# KiCad board Zynq_SoM.kicad_pcb (continued)
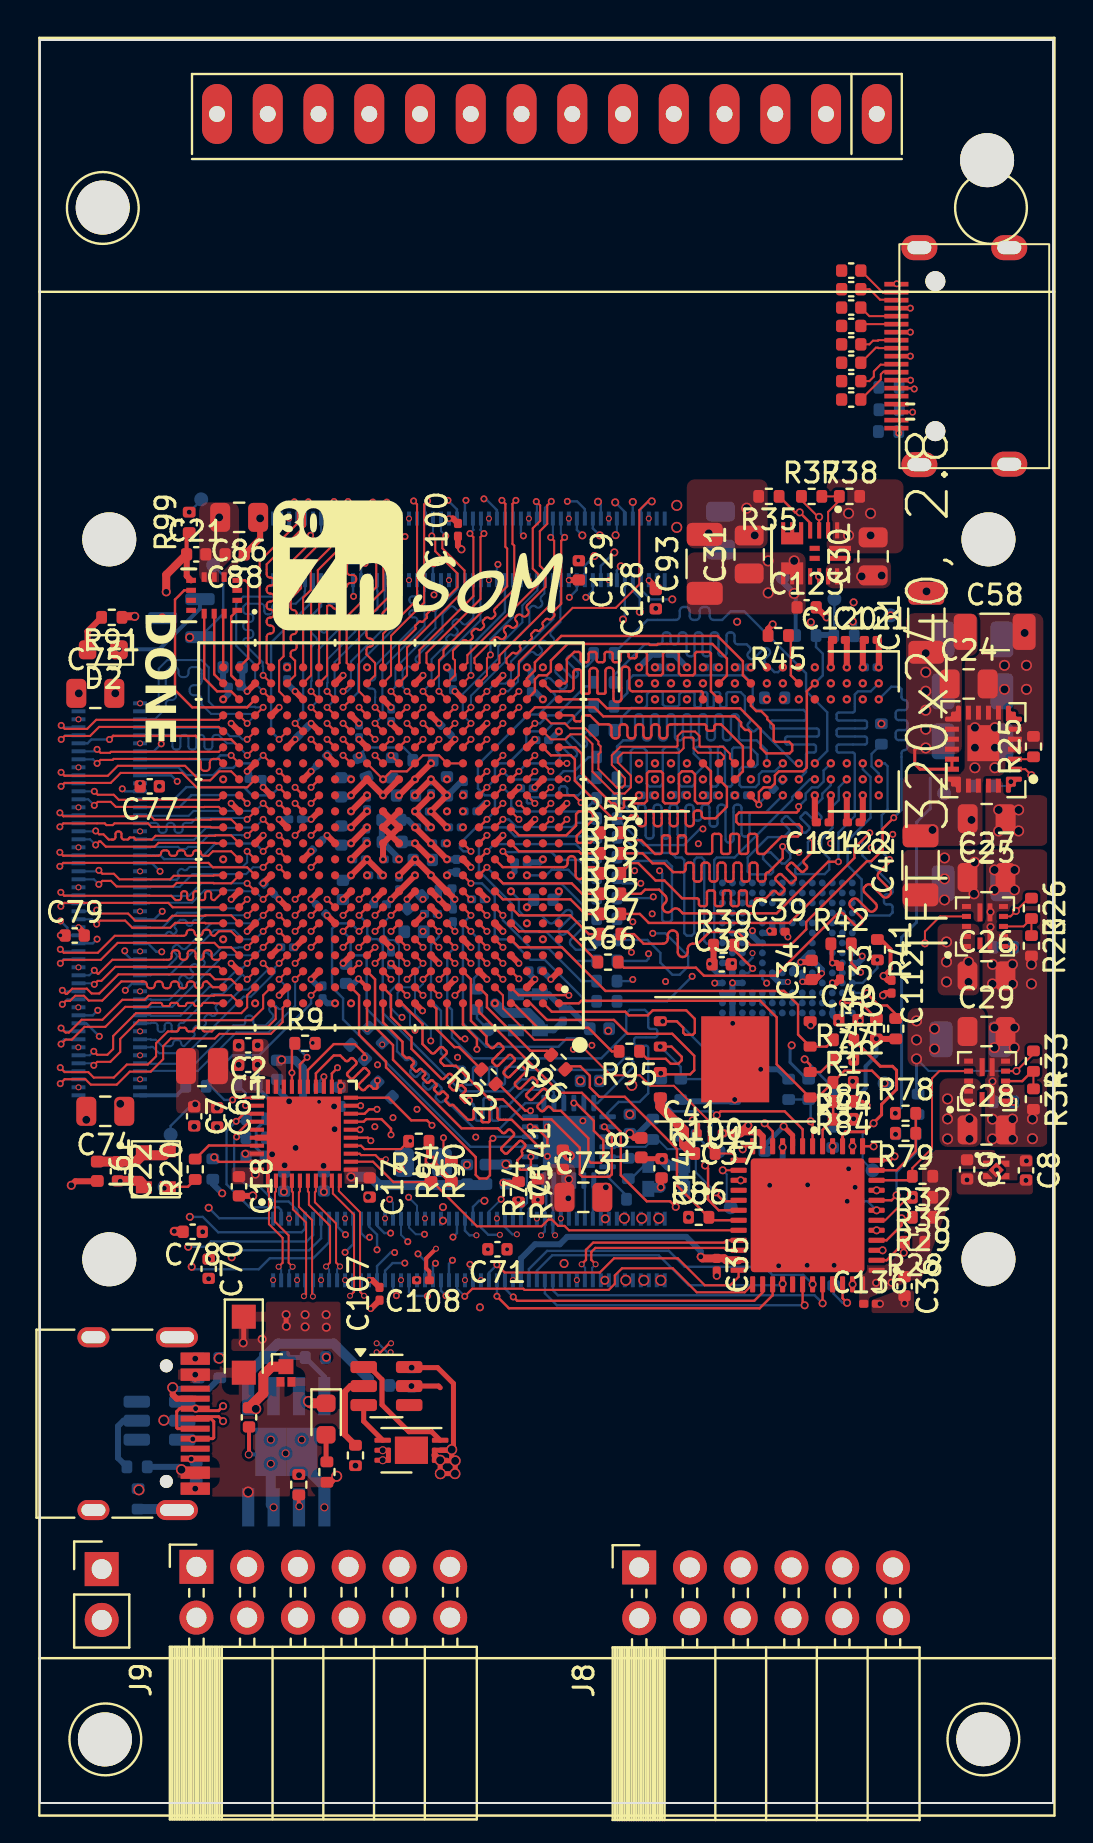
[diagram p0: board, top side]
## Routing (per net, layer and track width the routed paths; a pad name or vN(x,y) marks a point on that pad's centre or on a via; arc(x,y) is an arc through that point) (continued)
/Zynq_B502_DDR/DDR_A11: length 6.8
  L1 (Sig) w0.12: U2.G5 v1(23.17,44.39)
  L8 (Sig) w0.12: v1(23.17,44.39) 23.17,44.14 24.58,42.73 25.45,42.73 27.08,41.1 R64.1
/Zynq_B502_DDR/DDR_A11_T: length 26.1
  L6 (Sig+Pwr) w0.135: v1(41.18,55.19) 41.58,54.79 41.58,53.38 arc(41.61,53.29) 41.7,53.26 41.71,53.26 arc(41.8,53.22) 41.83,53.14 41.83,52.78 arc(41.8,52.69) 41.71,52.66 41.7,52.66 arc(41.61,52.62) 41.58,52.54 41.58,50.08 42.12,49.54 42.12,47.03 36.64,41.55 36.23,41.55 34.3,39.62 30.71,39.62 29.67,40.66 v1(29.67,41.18)
  L8 (Sig) w0.12: v1(29.67,41.18) 29.59,41.1 R64.2
/Zynq_B502_DDR/DDR_A12: length 10.4
  L8 (Sig) w0.12: v1(23.57,45.59) 23.97,45.19 23.97,44.61 24.22,44.36 25.12,44.36 25.45,44.04 arc(25.59,43.98) 25.73,44.04 26.29,44.6 arc(26.44,44.66) 26.58,44.6 arc(26.64,44.46) 26.58,44.32 26.01,43.75 arc(25.95,43.61) 26.01,43.47 arc(26.15,43.41) 26.29,43.47 26.86,44.04 arc(27,44.1) 27.14,44.04 arc(27.2,43.9) 27.14,43.75 26.58,43.19 arc(26.52,43.05) 26.58,42.91 26.82,42.66 27.72,42.66 27.86,42.8 R65.1
/Zynq_B502_DDR/DDR_A12_T: length 23.8
  L6 (Sig+Pwr) w0.135: v1(30.67,43.49) 32.31,43.49 37.58,48.76 37.58,52.14 39.58,54.14 v1(39.58,55.19)
  L8 (Sig) w0.12: v1(30.67,43.49) 31.3,43.49 32.44,42.35 32.44,41.84 32.02,41.42 31.65,41.42 31.05,42.02 31.05,42.51 30.4,43.16 R65.2
/Zynq_B502_DDR/DDR_A13: length 5.2
  L1 (Sig) w0.12: R66.1 26.39,43.58 25,43.58 24.99,43.59 24.99,43.59 23.97,43.59 U2.F4
/Zynq_B502_DDR/DDR_A13_T: length 27.8
  L1 (Sig) w0.12: R66.2 29.22,41.77 32.83,41.77 33.23,41.37 36.81,41.37 39.24,43.8 39.26,43.8 39.93,44.47 arc(40.07,44.53) 40.21,44.47 40.76,43.92 arc(40.9,43.86) 41.05,43.92 41.12,43.99 arc(41.18,44.13) 41.12,44.27 40.57,44.82 arc(40.51,44.96) 40.57,45.11 40.64,45.18 arc(40.78,45.23) 40.92,45.18 41.47,44.62 arc(41.61,44.57) 41.75,44.62 41.82,44.69 arc(41.88,44.84) 41.82,44.98 41.27,45.53 arc(41.21,45.67) 41.27,45.81 41.34,45.88 arc(41.48,45.94) 41.63,45.88 42.18,45.33 arc(42.32,45.27) 42.46,45.33 42.53,45.4 arc(42.59,45.54) 42.53,45.68 41.98,46.24 arc(41.92,46.38) 41.98,46.52 42.52,47.06 v1(42.52,47.18)
  L8 (Sig) w0.12: v1(42.52,47.18) 42.13,47.57 42.13,49.4 42.42,49.69 42.42,51.85 42.28,51.99 v1(41.98,51.99)
/Zynq_B502_DDR/DDR_A14: length 5
  L1 (Sig) w0.12: U2.G4 23.97,44.39 26.53,44.39 27.47,43.45 R67.1
/Zynq_B502_DDR/DDR_A14_T: length 30.1
  L1 (Sig) w0.12: v1(42.73,49.27) 42.17,48.71 42.17,47.66 41.61,47.1 41.39,47.1 38.35,44.06 38.35,43.69 37.57,42.91 35.56,42.91 34.91,43.56 33.51,43.56 32.92,42.97 32.67,42.97 arc(32.49,42.9) 32.42,42.72 32.42,42.56 arc(32.35,42.38) 32.17,42.31 arc(31.99,42.38) 31.92,42.56 31.92,43.38 arc(31.85,43.56) 31.67,43.63 arc(31.49,43.56) 31.42,43.38 31.42,43.22 arc(31.35,43.04) 31.17,42.97 30.21,42.97 29.73,43.45 R67.2
  L8 (Sig) w0.12: v1(41.98,55.19) 42.61,55.82 43,55.82 43.12,55.7 43.12,55.3 43.12,55.3 arc(43.16,55.2) 43.27,55.15 arc(43.37,55.11) 43.41,55.01 43.41,54.8 arc(43.37,54.69) 43.27,54.65 42.97,54.65 arc(42.87,54.61) 42.82,54.5 42.82,54.3 arc(42.87,54.19) 42.97,54.15 43.27,54.15 arc(43.37,54.11) 43.41,54 43.41,53.8 arc(43.37,53.69) 43.27,53.65 42.97,53.65 arc(42.87,53.61) 42.82,53.5 42.82,53.3 arc(42.87,53.19) 42.97,53.15 43.27,53.15 arc(43.37,53.11) 43.41,53 43.41,52.8 arc(43.37,52.69) 43.27,52.65 arc(43.16,52.61) 43.12,52.5 43.12,49.66 v1(42.73,49.27)
/Zynq_B502_DDR/DDR_BA0: length 8.8
  L1 (Sig) w0.12: U2.L7 v1(21.57,47.59)
  L8 (Sig) w0.12: v1(21.57,47.59) 21.19,47.59 21.02,47.76 21.02,47.98 21.83,48.79 23.32,48.79 23.77,48.34 27.44,48.34 27.49,48.29 R68.1
/Zynq_B502_DDR/DDR_BA0_T: length 27.9
  L8 (Sig) w0.12: v1(38.78,51.19) 38.53,51.19 37.65,50.31 37.65,50.17 34.76,47.28 33.87,47.28 33.74,47.15 33.74,43.1 33.62,42.97 33.37,42.97 33.24,43.1 33.24,47.15 33.12,47.28 32.87,47.28 32.74,47.15 32.74,43.5 32.62,43.37 32.37,43.37 32.24,43.5 32.24,47.15 32.12,47.28 31.83,47.28 31.6,47.51 29.98,47.51 29.2,48.29 R68.2
/Zynq_B502_DDR/DDR_BA1: length 10.7
  L1 (Sig) w0.12: U2.L6 v1(22.37,48.39)
  L8 (Sig) w0.12: R69.1 26.8,42.11 25.36,43.55 24.28,43.55 23.62,44.21 23.62,44.96 21.97,46.61 U2.L6 v1(22.37,48.39)
/Zynq_B502_DDR/DDR_BA1_T: length 21.5
  L6 (Sig+Pwr) w0.123: 39.58,55.84 v1(39.58,55.99)
  L6 (Sig+Pwr) w0.135: 39.58,55.84 39.98,55.44 39.98,53.77 38.38,52.17 38.38,48.71 38.15,48.48 38.15,48.28 33.98,44.12 33.77,43.91 arc(33.73,43.8) 33.77,43.7 33.8,43.67 arc(33.85,43.56) 33.8,43.45 33.59,43.24 arc(33.48,43.2) 33.38,43.24 33.35,43.27 arc(33.24,43.32) 33.14,43.27 32.43,42.56 31.82,42.56 arc(31.72,42.6) 31.68,42.7 31.68,42.78 arc(31.64,42.88) 31.54,42.92 31.26,42.92 arc(31.16,42.88) 31.12,42.78 31.12,42.7 arc(31.08,42.6) 30.98,42.56 30.55,42.56 v1(30.46,42.47)
  L8 (Sig) w0.12: R69.2 30.35,42.11 30.46,42.22 v1(30.46,42.47)
/Zynq_B502_DDR/DDR_BA2: length 17.4
  L1 (Sig) w0.12: U2.M6 v1(22.37,49.19)
  L8 (Sig) w0.12: R70.1 27.68,57.46 27.68,57.15 27.39,56.86 arc(27.28,56.82) 27.17,56.86 26.69,57.34 arc(26.57,57.39) 26.46,57.34 26.4,57.29 arc(26.36,57.17) 26.4,57.06 26.88,56.58 arc(26.93,56.47) 26.88,56.35 26.83,56.3 arc(26.71,56.25) 26.6,56.3 26.12,56.78 arc(26.01,56.83) 25.89,56.78 25.84,56.72 arc(25.79,56.61) 25.84,56.5 26.32,56.02 arc(26.37,55.9) 26.32,55.79 26.26,55.73 arc(26.15,55.69) 26.04,55.73 25.56,56.21 arc(25.44,56.26) 25.33,56.21 25.27,56.16 arc(25.23,56.04) 25.27,55.93 25.75,55.45 arc(25.8,55.34) 25.75,55.22 24.96,54.43 24.43,54.43 21.92,51.92 21.92,50.73 22.26,50.39 22.57,50.39 22.77,50.19 22.77,49.59 v1(22.37,49.19)
/Zynq_B502_DDR/DDR_BA2_T: length 18.9
  L8 (Sig) w0.12: R70.2 30.4,59.16 31.82,59.16 arc(31.96,59.22) 32.02,59.36 32.02,59.61 arc(32.08,59.75) 32.22,59.81 32.32,59.81 arc(32.46,59.75) 32.52,59.61 32.52,59.36 arc(32.58,59.22) 32.72,59.16 32.82,59.16 arc(32.96,59.22) 33.02,59.36 33.02,59.61 arc(33.08,59.75) 33.22,59.81 33.32,59.81 arc(33.46,59.75) 33.52,59.61 33.52,59.36 arc(33.58,59.22) 33.72,59.16 34.14,59.16 34.57,59.59 35.24,59.59 38.34,56.49 38.34,55.6 39.4,54.54 39.4,52.61 v1(38.78,51.99)
/Zynq_B502_DDR/DDR_CK_E: length 4.4
  L1 (Sig) w0.12: 24.74,53.96 v1(24.77,53.99) U2.V3
  L8 (Sig) w0.12: R73.1 27.51,55.84 27.29,55.84 25.84,54.39 25.43,54.39 25.03,53.99 v1(24.77,53.99)
/Zynq_B502_DDR/DDR_CK_E_T: length 19.9
  L8 (Sig) w0.12: v1(37.18,56.79) 36.94,56.55 36.76,56.55 36.3,57.01 arc(36.25,57.12) 36.3,57.24 36.49,57.43 arc(36.54,57.54) 36.49,57.66 36.44,57.71 arc(36.32,57.76) 36.21,57.71 35.74,57.24 arc(35.62,57.19) 35.51,57.24 35.45,57.29 arc(35.41,57.41) 35.45,57.52 35.51,57.57 arc(35.55,57.69) 35.51,57.8 35.37,57.94 34.92,57.94 arc(34.81,57.99) 34.76,58.1 34.76,58.38 arc(34.71,58.49) 34.6,58.54 34.52,58.54 arc(34.41,58.49) 34.36,58.38 34.36,57.5 arc(34.31,57.39) 34.2,57.34 34.12,57.34 arc(34.01,57.39) 33.96,57.5 33.96,58.38 arc(33.91,58.49) 33.8,58.54 33.72,58.54 arc(33.61,58.49) 33.56,58.38 33.56,57.5 arc(33.51,57.39) 33.4,57.34 33.32,57.34 arc(33.21,57.39) 33.16,57.5 33.16,58.38 arc(33.11,58.49) 33,58.54 32.92,58.54 arc(32.81,58.49) 32.76,58.38 32.76,57.5 arc(32.71,57.39) 32.6,57.34 32.52,57.34 arc(32.41,57.39) 32.36,57.5 32.36,58.38 arc(32.31,58.49) 32.2,58.54 32.12,58.54 arc(32.01,58.49) 31.96,58.38 31.96,58.1 arc(31.91,57.99) 31.8,57.94 31.72,57.94 arc(31.61,57.99) 31.56,58.1 31.56,58.38 arc(31.51,58.49) 31.4,58.54 31.32,58.54 arc(31.21,58.49) 31.16,58.38 31.16,58.1 arc(31.11,57.99) 31,57.94 30.27,57.94 28.73,56.4 R73.2
/Zynq_B502_DDR/DDR_CK_N: length 35.6
  L1 (Sig) w0.1: U2.N5 v1(23.17,49.99)
  L6 (Sig+Pwr) w0.1: v1(23.17,49.99) 23.57,49.59 23.57,48.88 23.62,48.83 23.62,47.73 24.88,46.46 25.91,46.46 26.51,45.87 26.51,43.19 26.91,42.79 28.45,42.79 28.78,43.12 28.78,43.62 28.52,43.88 27.91,43.88 27.82,43.97 27.82,44.28 27.91,44.36 29.09,44.36 29.31,44.58 29.31,45.23 29.09,45.44 27.91,45.44 27.82,45.53 27.82,45.84 27.91,45.92 28.52,45.92 28.78,46.18 28.78,46.86 28.91,46.99 33.07,46.99 35.5,49.42 35.5,50.65 34.55,51.6 34.55,52.8 35.17,53.41 36.41,53.41 36.93,53.94 36.93,54.94 v1(37.18,55.19)
/Zynq_B502_DDR/DDR_CK_P: length 35.1
  L1 (Sig) w0.1: v1(23.97,49.19) U2.N4
  L6 (Sig+Pwr) w0.1: v1(36.38,55.19) 36.63,54.94 36.63,54.06 36.28,53.71 35.04,53.71 34.25,52.93 34.25,51.48 35.2,50.53 35.2,49.55 35.11,49.45 arc(34.97,49.39) 34.83,49.45 34.72,49.56 arc(34.58,49.62) 34.44,49.56 34.37,49.49 arc(34.31,49.35) 34.37,49.21 34.47,49.1 arc(34.53,48.96) 34.47,48.82 34.4,48.75 arc(34.26,48.69) 34.12,48.75 34.01,48.86 arc(33.87,48.91) 33.73,48.86 33.66,48.79 arc(33.6,48.64) 33.66,48.5 33.77,48.39 arc(33.83,48.25) 33.77,48.11 32.95,47.29 28.79,47.29 28.48,46.98 28.48,46.31 28.39,46.22 27.78,46.22 27.52,45.96 27.52,45.4 27.78,45.14 28.97,45.14 29.01,45.1 29.01,44.7 28.97,44.66 27.78,44.66 27.52,44.4 27.52,43.84 27.78,43.58 28.39,43.58 28.48,43.5 28.48,43.24 28.33,43.09 27.03,43.09 26.81,43.31 26.81,45.99 26.04,46.76 25.01,46.76 23.92,47.85 23.92,48.83 23.97,48.88 v1(23.97,49.19)
/Zynq_B502_DDR/DDR_DM0: length 18.5
  L1 (Sig) w0.12: U2.AA2 25.57,55.59 26.54,55.59 arc(26.65,55.64) 26.7,55.75 26.7,56.53 arc(26.75,56.65) 26.86,56.69 26.94,56.69 arc(27.05,56.65) 27.1,56.53 27.1,55.53 arc(27.12,55.49) 27.16,55.47 27.44,55.47 arc(27.48,55.49) 27.5,55.53 27.5,56.59 arc(27.55,56.71) 27.66,56.75 27.74,56.75 arc(27.85,56.71) 27.9,56.59 27.9,55.53 arc(27.92,55.49) 27.96,55.47 28.24,55.47 arc(28.28,55.49) 28.3,55.53 28.3,56.61 arc(28.35,56.72) 28.46,56.77 28.54,56.77 arc(28.65,56.72) 28.7,56.61 28.7,55.22 arc(28.75,55.1) 28.86,55.06 28.94,55.06 arc(29.05,55.1) 29.1,55.22 29.1,56.66 arc(29.15,56.77) 29.26,56.82 29.34,56.82 arc(29.45,56.77) 29.5,56.66 29.5,55.75 arc(29.55,55.64) 29.66,55.59 33.11,55.59 33.18,55.52 U1.E7
/Zynq_B502_DDR/DDR_DM1: length 13.7
  L1 (Sig) w0.12: U2.P1 26.72,50.39 v1(27.08,50.03)
  L6 (Sig+Pwr) w0.135: v1(32.38,51.99) 32.92,51.99 33.14,52.21 33.14,53.58 33.74,54.18 33.74,54.36 33.53,54.57 33.32,54.57 32.74,53.99 32.74,53.04 32.49,52.79 29.94,52.79 27.18,50.03 v1(27.08,50.03)
/Zynq_B502_DDR/DDR_DQ0: length 18
  L1 (Sig) w0.12: U2.U1 26.79,52.79 27.12,52.46 27.12,51.47 28.6,49.99 28.73,49.99 arc(28.8,49.96) 28.83,49.89 28.83,49.83 arc(28.86,49.76) 28.93,49.73 29.13,49.73 arc(29.2,49.76) 29.23,49.83 29.23,50.09 arc(29.26,50.16) 29.33,50.19 29.53,50.19 arc(29.6,50.16) 29.63,50.09 29.63,50.09 arc(29.66,50.02) 29.73,49.99 30.25,49.99 30.38,50.11 30.38,51.49 30.48,51.59 31.08,51.59 31.18,51.49 31.18,50.09 31.28,49.99 31.88,49.99 31.98,50.09 31.98,51.44 32.13,51.59 32.63,51.59 32.78,51.44 32.78,50.11 32.9,49.99 33.45,49.99 33.58,50.11 33.58,51.59 U1.E3
/Zynq_B502_DDR/DDR_DQ1: length 18.7
  L1 (Sig) w0.12: U1.F7 33.58,55.59 33.58,57.48 33.5,57.56 32.86,57.56 32.78,57.48 32.78,56.49 32.68,56.39 32.08,56.39 31.98,56.49 31.98,57.48 31.9,57.56 31.26,57.56 31.18,57.48 31.18,56.49 31.08,56.39 30.48,56.39 30.38,56.49 30.38,57.48 30.3,57.56 29.96,57.56 arc(29.89,57.53) 29.86,57.46 29.86,57.35 arc(29.83,57.27) 29.76,57.25 29.56,57.25 arc(29.49,57.27) 29.46,57.35 29.46,57.46 arc(29.43,57.53) 29.36,57.56 29.16,57.56 arc(29.09,57.53) 29.06,57.46 29.06,57.15 arc(29.03,57.07) 28.96,57.05 28.76,57.05 arc(28.69,57.07) 28.66,57.15 28.66,57.46 arc(28.63,57.53) 28.56,57.56 28.36,57.56 arc(28.29,57.53) 28.26,57.46 28.26,57.15 arc(28.23,57.07) 28.16,57.05 27.96,57.05 arc(27.89,57.07) 27.86,57.15 27.86,57.46 arc(27.83,57.53) 27.76,57.56 27.56,57.56 arc(27.49,57.53) 27.46,57.46 27.46,57.15 arc(27.43,57.07) 27.36,57.05 27.16,57.05 arc(27.09,57.07) 27.06,57.15 27.06,57.46 arc(27.03,57.53) 26.96,57.56 26.74,57.56 26.37,57.19 26.37,56.09 26.27,55.99 U2.AA1
/Zynq_B502_DDR/DDR_DQ2: length 18.4
  L1 (Sig) w0.12: U2.U2 25.57,52.39 26.57,52.39 26.77,52.19 26.77,51.12 28.65,49.24 29.45,49.24 arc(29.5,49.26) 29.52,49.31 arc(29.54,49.36) 29.59,49.38 29.85,49.38 arc(29.9,49.36) 29.92,49.31 29.92,49.01 arc(29.97,48.89) 30.08,48.85 30.16,48.85 arc(30.27,48.89) 30.32,49.01 30.32,49.47 arc(30.37,49.59) 30.48,49.63 30.56,49.63 arc(30.67,49.59) 30.72,49.47 30.72,49.01 arc(30.77,48.89) 30.88,48.85 30.96,48.85 arc(31.07,48.89) 31.12,49.01 31.12,49.47 arc(31.17,49.59) 31.28,49.63 31.36,49.63 arc(31.47,49.59) 31.52,49.47 31.52,49.01 arc(31.57,48.89) 31.68,48.85 31.76,48.85 arc(31.87,48.89) 31.92,49.01 31.92,49.47 arc(31.97,49.59) 32.08,49.63 32.16,49.63 arc(32.27,49.59) 32.32,49.47 32.32,49.01 arc(32.37,48.89) 32.48,48.85 32.56,48.85 arc(32.67,48.89) 32.72,49.01 32.72,49.47 arc(32.77,49.59) 32.88,49.63 32.96,49.63 arc(33.07,49.59) 33.12,49.47 33.12,49.4 arc(33.17,49.29) 33.28,49.24 33.8,49.24 34.38,49.81 34.38,50.79 U1.F2
/Zynq_B502_DDR/DDR_DQ3: length 13.6
  L1 (Sig) w0.12: U1.F8 34.38,56.39 34.38,57.23 33.65,57.96 30.93,57.96 30.88,57.91 30.53,57.91 30.48,57.96 26.4,57.96 25.57,57.13 25.57,56.59 25.37,56.39 24.97,56.39 24.77,56.19 24.77,55.59 U2.Y3
/Zynq_B502_DDR/DDR_DQ4: length 13.5
  L1 (Sig) w0.12: U1.H3 35.58,53.54 35.46,53.66 35.29,53.66 35.09,53.86 35.09,54.03 34.78,54.34 28.19,54.34 27.74,54.79 24.77,54.79 U2.W3
/Zynq_B502_DDR/DDR_DQ5: length 14
  L1 (Sig) w0.12: U2.AA3 24.37,56.23 24.77,56.63 24.77,57.04 26.09,58.36 33.91,58.36 35.18,57.09 35.18,56.39 U1.H8
/Zynq_B502_DDR/DDR_DQ6: length 17.1
  L1 (Sig) w0.12: U2.W1 26.63,54.39 arc(26.7,54.36) 26.73,54.29 26.73,54.19 arc(26.76,54.12) 26.83,54.09 27.03,54.09 arc(27.1,54.12) 27.13,54.19 27.13,54.29 arc(27.16,54.36) 27.23,54.39 27.53,54.39 27.98,53.94 28.44,53.94 arc(28.55,53.89) 28.6,53.78 28.6,53.4 arc(28.65,53.29) 28.76,53.24 28.84,53.24 arc(28.95,53.29) 29,53.4 29,53.78 arc(29.05,53.89) 29.16,53.94 29.24,53.94 arc(29.35,53.89) 29.4,53.78 29.4,53.4 arc(29.45,53.29) 29.56,53.24 29.64,53.24 arc(29.75,53.29) 29.8,53.4 29.8,53.78 arc(29.85,53.89) 29.96,53.94 30.04,53.94 arc(30.15,53.89) 30.2,53.78 30.2,53.4 arc(30.25,53.29) 30.36,53.24 30.44,53.24 arc(30.55,53.29) 30.6,53.4 30.6,53.78 arc(30.65,53.89) 30.76,53.94 30.84,53.94 arc(30.95,53.89) 31,53.78 31,53.4 arc(31.05,53.29) 31.16,53.24 31.24,53.24 arc(31.35,53.29) 31.4,53.4 31.4,53.78 arc(31.45,53.89) 31.56,53.94 33.25,53.94 arc(33.32,53.91) 33.35,53.84 33.35,53.72 arc(33.38,53.65) 33.45,53.62 33.65,53.62 arc(33.72,53.65) 33.75,53.72 33.75,53.84 arc(33.78,53.91) 33.85,53.94 34.08,53.94 35.18,52.84 35.18,51.59 U1.G2
/Zynq_B502_DDR/DDR_DQ7: length 17.4
  L1 (Sig) w0.12: U2.Y1 27.93,55.19 28.38,54.74 35.04,54.74 36.07,53.71 36.07,52.76 36.34,52.49 37.52,52.49 37.64,52.61 37.64,52.91 37.49,53.06 36.79,53.06 36.72,53.14 36.72,53.88 36.4,54.2 36.4,54.3 36.09,54.6 35.85,54.6 35.58,54.87 U1.H7
/Zynq_B502_DDR/DDR_DQ8: length 15
  L1 (Sig) w0.12: U2.R3 v1(24.77,51.59)
  L6 (Sig+Pwr) w0.135: v1(24.77,51.59) 24.29,52.06 24.29,54.44 24.52,54.66 24.52,55.37 26.34,57.19 28.69,57.19 28.79,57.28 29.19,57.28 29.29,57.19 31.78,57.19 31.98,56.99 31.98,55.59 v1(32.38,55.19)
/Zynq_B502_DDR/DDR_DQ9: length 15.5
  L1 (Sig) w0.12: v1(23.97,49.99) U2.N3
  L6 (Sig+Pwr) w0.135: v1(23.97,49.99) U2.N3 24.37,48.55 25.2,47.71 26.69,47.71 26.72,47.69 27.09,47.69 27.12,47.71 31.81,47.71 32.32,48.22 32.32,49.14 32.78,49.6 32.78,51.4 32.59,51.59 31.98,51.59 v1(31.58,51.99)
/Zynq_B502_DDR/DDR_DQ10: length 10.9
  L1 (Sig) w0.12: v1(25.57,51.59) U2.T2
  L6 (Sig+Pwr) w0.135: v1(25.57,51.59) 25.57,55.16 26.82,56.41 27.65,56.41 27.66,56.42 28.05,56.42 28.06,56.41 31.15,56.41 v1(31.58,55.99)
/Zynq_B502_DDR/DDR_DQ11: length 15.5
  L1 (Sig) w0.12: U2.M2 v1(25.57,49.19)
  L6 (Sig+Pwr) w0.135: v1(31.58,51.19) 31.87,51.19 31.98,51.08 31.98,49.94 31.81,49.77 31.81,48.33 31.69,48.21 31.55,48.21 arc(31.41,48.27) 31.35,48.41 31.35,49.51 arc(31.29,49.65) 31.15,49.71 31.05,49.71 arc(30.91,49.65) 30.85,49.51 30.85,48.41 arc(30.79,48.27) 30.65,48.21 30.55,48.21 arc(30.41,48.27) 30.35,48.41 30.35,48.96 arc(30.29,49.1) 30.15,49.16 30.05,49.16 arc(29.91,49.1) 29.85,48.96 29.85,48.41 arc(29.79,48.27) 29.65,48.21 25.68,48.21 25.27,48.62 25.27,48.89 v1(25.57,49.19)
/Zynq_B502_DDR/DDR_DQ12: length 13.3
  L1 (Sig) w0.12: v1(26.39,51.21) 26.37,51.19 U2.R1
  L6 (Sig+Pwr) w0.135: v1(29.98,55.19) 29.14,55.19 arc(28.96,55.12) 28.89,54.94 arc(28.82,54.76) 28.64,54.69 28.3,54.69 arc(28.12,54.76) 28.05,54.94 arc(27.98,55.12) 27.8,55.19 27.19,55.19 26.92,54.91 26.92,54.43 arc(26.97,54.31) 27.09,54.25 28.56,54.25 arc(28.69,54.2) 28.74,54.08 28.74,53.93 arc(28.69,53.81) 28.56,53.75 27.09,53.75 arc(26.97,53.7) 26.92,53.58 26.92,53.43 arc(26.97,53.31) 27.09,53.25 27.81,53.25 arc(27.94,53.2) 27.99,53.08 27.99,52.93 arc(27.94,52.81) 27.81,52.75 27.09,52.75 arc(26.97,52.7) 26.92,52.58 26.92,51.88 26.39,51.35 v1(26.39,51.21)
/Zynq_B502_DDR/DDR_DQ13: length 14
  L1 (Sig) w0.12: v1(26.37,49.19) U2.M1
  L6 (Sig+Pwr) w0.13: v1(26.37,49.19) 26.09,49.19 26.02,49.11 26.02,48.76 26.07,48.71 27.93,48.71 28.05,48.84 28.05,49.27 28.18,49.4 28.43,49.4 28.55,49.27 28.55,48.84 28.68,48.71 28.97,48.71 29.25,48.99 29.25,49.24 28.74,49.75 28.74,50 28.99,50.25 29.24,50.25 29.75,49.74 30,49.74 30.38,50.12 30.38,50.65 30.52,50.79 31.07,50.79 31.18,50.9 31.18,52.23 31.03,52.38 30.53,52.38 30.38,52.22 30.38,51.6 29.98,51.2 v1(29.98,51.19)
/Zynq_B502_DDR/DDR_DQ14: length 11.4
  L1 (Sig) w0.12: v1(26.37,51.99) U2.T1
  L6 (Sig+Pwr) w0.135: v1(30.78,55.99) 31.09,55.99 31.24,55.84 31.24,55.69 31.14,55.59 29.54,55.59 arc(29.46,55.62) 29.43,55.7 29.43,55.92 arc(29.39,56) 29.31,56.03 29.09,56.03 arc(29.01,56) 28.98,55.92 28.98,55.7 arc(28.94,55.62) 28.86,55.59 28.64,55.59 arc(28.56,55.62) 28.53,55.7 28.53,55.92 arc(28.49,56) 28.41,56.03 28.19,56.03 arc(28.11,56) 28.08,55.92 28.08,55.7 arc(28.04,55.62) 27.96,55.59 27.74,55.59 arc(27.66,55.62) 27.63,55.7 27.63,55.92 arc(27.59,56) 27.51,56.03 27.29,56.03 arc(27.21,56) 27.18,55.92 27.18,55.7 arc(27.14,55.62) 27.06,55.59 26.73,55.59 26.4,55.26 26.4,52.02 v1(26.37,51.99)
/Zynq_B502_DDR/DDR_DQ15: length 10.7
  L1 (Sig) w0.12: v1(24.77,52.39) U2.T3
  L6 (Sig+Pwr) w0.135: v1(24.77,52.39) 24.82,52.39 25.17,52.04 25.17,51.36 24.99,51.19 24.44,51.19 24.37,51.11 24.37,50.44 24.42,50.39 25.09,50.39 25.17,50.31 25.17,49.68 25.23,49.61 27.6,49.61 v1(29.98,51.99)
/Zynq_B502_DDR/DDR_DQS0_N: length 16.3
  L1 (Sig) w0.1: U1.G3 34.53,52.24 34.53,52.47 34.18,52.82 33.06,52.82 33.01,52.87 33.01,53.35 32.78,53.58 32.13,53.58 31.91,53.35 31.91,52.87 31.86,52.82 29.05,52.82 28.62,52.39 28.62,51.91 29.27,51.25 29.27,50.91 29.14,50.78 28.87,50.78 27.95,51.7 27.95,52.44 28.06,52.55 28.06,52.84 27.95,52.95 27.95,53.08 27.29,53.74 26.52,53.74 26.27,53.99 25.57,53.99 U2.W2
/Zynq_B502_DDR/DDR_DQS0_P: length 15.7
  L1 (Sig) w0.1: U2.V2 25.57,53.19 26.29,53.19 26.54,53.44 27.17,53.44 27.65,52.96 27.65,51.58 28.75,50.48 29.26,50.48 29.57,50.79 29.57,51.38 28.92,52.03 28.92,52.26 29.17,52.52 31.98,52.52 32.21,52.74 32.21,53.23 32.26,53.28 32.66,53.28 32.71,53.23 32.71,52.74 32.93,52.52 34.06,52.52 34.23,52.35 34.23,52.24 U1.F3
/Zynq_B502_DDR/DDR_DQS1_N: length 13.3
  L1 (Sig) w0.1: v1(25.57,50.79) U2.P2
  L6 (Sig+Pwr) w0.1: v1(25.57,50.79) 25.82,50.54 25.89,50.54 26.15,50.8 26.76,50.8 26.89,50.92 arc(26.92,51) 26.89,51.07 arc(26.85,51.15) 26.89,51.22 27.12,51.46 arc(27.2,51.49) 27.27,51.46 arc(27.35,51.43) 27.42,51.46 27.66,51.7 arc(27.69,51.78) 27.66,51.85 arc(27.63,51.93) 27.66,52 27.9,52.24 arc(27.98,52.27) 28.05,52.24 arc(28.13,52.21) 28.2,52.24 28.58,52.62 28.58,53.04 29.03,53.49 29.4,53.49 29.46,53.55 29.46,54.38 29.7,54.62 30.37,54.62 30.61,54.38 30.61,53.55 30.67,53.49 31.87,53.49 31.99,53.61 31.99,54.04 31.72,54.31 31.31,54.31 31.03,54.59 31.03,54.94 v1(30.78,55.19)
/Zynq_B502_DDR/DDR_DQS1_P: length 13.4
  L1 (Sig) w0.1: U2.N2 v1(25.57,49.99)
  L6 (Sig+Pwr) w0.1: v1(25.57,49.99) 25.82,50.24 26.01,50.24 26.27,50.5 26.89,50.5 28.88,52.5 28.88,52.92 29.16,53.19 29.52,53.19 29.76,53.43 29.76,54.26 29.82,54.32 30.25,54.32 30.31,54.26 30.31,53.43 30.55,53.19 31.99,53.19 32.29,53.49 32.29,54.19 31.87,54.61 31.43,54.61 31.33,54.72 31.33,54.94 v1(31.58,55.19)
/Zynq_B502_DDR/DDR_ODT: length 6.3
  L1 (Sig) w0.12: U2.P5 v1(23.17,50.79)
  L8 (Sig) w0.12: v1(23.17,50.79) 23.58,50.37 23.58,49.84 23.84,49.58 27.2,49.58 R72.1
/Zynq_B502_DDR/DDR_ODT_T: length 27.7
  L8 (Sig) w0.12: R72.2 29.57,49.55 29.75,49.55 arc(29.86,49.6) 29.91,49.71 29.91,49.76 arc(29.96,49.87) 30.07,49.92 30.15,49.92 arc(30.26,49.87) 30.31,49.76 30.31,48.39 arc(30.36,48.27) 30.47,48.23 30.55,48.23 arc(30.66,48.27) 30.71,48.39 30.71,49.76 arc(30.76,49.87) 30.87,49.92 30.95,49.92 arc(31.06,49.87) 31.11,49.76 31.11,48.39 arc(31.16,48.27) 31.27,48.23 31.35,48.23 arc(31.46,48.27) 31.51,48.39 31.51,49.76 arc(31.56,49.87) 31.67,49.92 31.75,49.92 arc(31.86,49.87) 31.91,49.76 31.91,48.44 arc(31.96,48.32) 32.07,48.28 32.15,48.28 arc(32.26,48.32) 32.31,48.44 32.31,49.76 arc(32.36,49.87) 32.47,49.92 32.55,49.92 arc(32.66,49.87) 32.71,49.76 32.71,49.29 arc(32.76,49.17) 32.87,49.13 32.95,49.13 arc(33.06,49.17) 33.11,49.29 33.11,49.76 arc(33.16,49.87) 33.27,49.92 33.35,49.92 arc(33.46,49.87) 33.51,49.76 33.51,48.99 arc(33.56,48.87) 33.67,48.83 33.75,48.83 arc(33.86,48.87) 33.91,48.99 33.91,49.76 arc(33.96,49.87) 34.07,49.92 34.15,49.92 arc(34.26,49.87) 34.31,49.76 34.31,48.19 arc(34.36,48.07) 34.47,48.03 34.55,48.03 arc(34.66,48.07) 34.71,48.19 34.71,49.76 arc(34.76,49.87) 34.87,49.92 34.95,49.92 arc(35.06,49.87) 35.11,49.76 35.11,48.49 arc(35.16,48.37) 35.27,48.33 35.35,48.33 arc(35.46,48.37) 35.51,48.49 35.51,49.39 arc(35.56,49.5) 35.67,49.55 36.34,49.55 v1(37.18,50.39)
/Zynq_B502_DDR/DDR_VRN:
  vias: v1(21.17,48.79)
/Zynq_B502_DDR/DDR_VRP:
  vias: v1(21.17,49.59)
/Zynq_B502_DDR/DDR_ZQ: length 2.6
  L1 (Sig) w0.12: U1.L8 37.58,56.39 37.58,58.26 R45.1
/Zynq_B502_DDR/DDR_~{CAS}: length 6.8
  L1 (Sig) w0.12: U2.P3 v1(24.77,49.99)
  L8 (Sig) w0.12: v1(24.77,49.99) 24.42,49.99 24.37,50.04 24.37,50.21 24.44,50.29 25.19,50.29 25.29,50.39 25.88,50.39 25.98,50.49 25.98,50.74 26.08,50.84 26.28,50.84 26.38,50.74 26.38,50.49 26.48,50.39 26.93,50.39 27.16,50.61 27.16,50.75 26.84,51.07 26.84,51.21 26.98,51.35 27.12,51.35 27.44,51.04 27.58,51.04 27.81,51.27 R49.1
/Zynq_B502_DDR/DDR_~{CAS}_T: length 29.7
  L8 (Sig) w0.12: R49.2 28.88,50.88 28.92,50.84 29.52,50.84 29.57,50.89 29.57,52.62 29.71,52.76 30.21,52.76 30.37,52.6 30.37,50.96 30.5,50.83 31.03,50.83 31.17,50.96 31.17,52.66 31.31,52.8 31.85,52.8 31.97,52.68 31.97,50.96 32.1,50.83 32.63,50.83 32.78,50.97 32.78,51.42 33.16,51.8 33.16,52.04 32.72,52.48 32.72,52.67 32.86,52.81 33.43,52.81 33.56,52.68 33.56,50.93 33.66,50.83 33.84,50.83 33.93,50.92 33.93,52.74 34.02,52.83 34.19,52.83 34.28,52.74 34.28,50.92 34.37,50.83 34.56,50.83 34.64,50.91 34.64,52.7 34.72,52.78 35.56,52.78 35.91,52.43 35.91,51.94 35.78,51.81 35.14,51.81 35.01,51.68 35.01,50.9 35.11,50.8 35.81,50.8 35.98,50.97 35.98,51.42 36.14,51.59 36.78,51.59 v1(37.18,51.99)
/Zynq_B502_DDR/DDR_~{CS}: length 8.2
  L1 (Sig) w0.12: U2.P6 v1(22.37,50.79)
  L8 (Sig) w0.12: R51.1 27.24,54.84 26.38,53.97 25.68,53.97 25.29,53.59 24.49,53.59 24.34,53.43 24.34,52.89 23.44,51.99 22.99,51.99 22.77,51.76 22.77,51.19 v1(22.37,50.79)
/Zynq_B502_DDR/DDR_~{CS}_T: length 23.1
  L8 (Sig) w0.12: v1(37.98,51.19) 37.98,51.2 38.34,51.56 38.34,52.43 arc(38.37,52.5) 38.44,52.53 38.73,52.53 arc(38.81,52.56) 38.83,52.63 38.83,52.83 arc(38.81,52.9) 38.73,52.93 37.39,52.93 arc(37.32,52.96) 37.29,53.03 37.29,53.23 arc(37.32,53.3) 37.39,53.33 38.88,53.33 arc(38.96,53.36) 38.98,53.43 38.98,53.63 arc(38.96,53.7) 38.88,53.73 36.64,53.73 arc(36.57,53.76) 36.54,53.83 36.54,54.03 arc(36.57,54.1) 36.64,54.13 38.24,54.13 arc(38.31,54.16) 38.34,54.23 38.34,54.54 38.22,54.66 35.82,54.66 35.67,54.81 35.67,55.96 35.24,56.39 29.69,56.39 29.4,56.1 29.4,55.51 R51.2
/Zynq_B502_DDR/DDR_~{RAS}: length 5.9
  L1 (Sig) w0.12: U2.R5 v1(23.17,51.59)
  L8 (Sig) w0.12: v1(23.17,51.59) 23.58,51.18 25.78,51.18 26.2,51.6 26.75,51.6 27.45,52.3 R52.1
/Zynq_B502_DDR/DDR_~{RAS}_T: length 25.3
  L8 (Sig) w0.12: v1(36.38,51.99) 36.37,52 36.37,52.64 35.87,53.14 35.14,53.14 arc(35.03,53.19) 34.98,53.3 34.98,54.28 arc(34.93,54.39) 34.82,54.44 34.74,54.44 arc(34.63,54.39) 34.58,54.28 34.58,53.3 arc(34.53,53.19) 34.42,53.14 34.34,53.14 arc(34.23,53.19) 34.18,53.3 34.18,54.28 arc(34.13,54.39) 34.02,54.44 33.94,54.44 arc(33.83,54.39) 33.78,54.28 33.78,53.3 arc(33.73,53.19) 33.62,53.14 33.54,53.14 arc(33.43,53.19) 33.38,53.3 33.38,54.28 arc(33.33,54.39) 33.22,54.44 33.14,54.44 arc(33.03,54.39) 32.98,54.28 32.98,53.3 arc(32.93,53.19) 32.82,53.14 32.74,53.14 arc(32.63,53.19) 32.58,53.3 32.58,54.28 arc(32.53,54.39) 32.42,54.44 32.34,54.44 arc(32.23,54.39) 32.18,54.28 32.18,53.3 arc(32.13,53.19) 32.02,53.14 31.94,53.14 arc(31.83,53.19) 31.78,53.3 31.78,54.28 arc(31.73,54.39) 31.62,54.44 31.54,54.44 arc(31.43,54.39) 31.38,54.28 31.38,53.3 arc(31.33,53.19) 31.22,53.14 31.14,53.14 arc(31.03,53.19) 30.98,53.3 30.98,54.28 arc(30.93,54.39) 30.82,54.44 30.74,54.44 arc(30.63,54.39) 30.58,54.28 30.58,53.3 arc(30.53,53.19) 30.42,53.14 30.34,53.14 arc(30.23,53.19) 30.18,53.3 30.18,54.28 arc(30.13,54.39) 30.02,54.44 29.94,54.44 arc(29.83,54.39) 29.78,54.28 29.78,53.3 arc(29.73,53.19) 29.62,53.14 29.19,53.14 28.88,52.83 R52.2
/Zynq_B502_DDR/DDR_~{RST}: length 33.2
  L6 (Sig+Pwr) w0.135: v1(24.37,43.99) 24.37,43.44 25.48,42.33 26.34,42.33 27.19,41.48 27.61,41.48 30.6,38.49 36.59,38.49 38.64,40.54 38.64,41.96 43.15,46.47 43.15,50.62 42.58,51.19 v1(41.98,51.19)